# KiCad board ILI9341_ESP32.kicad_pcb
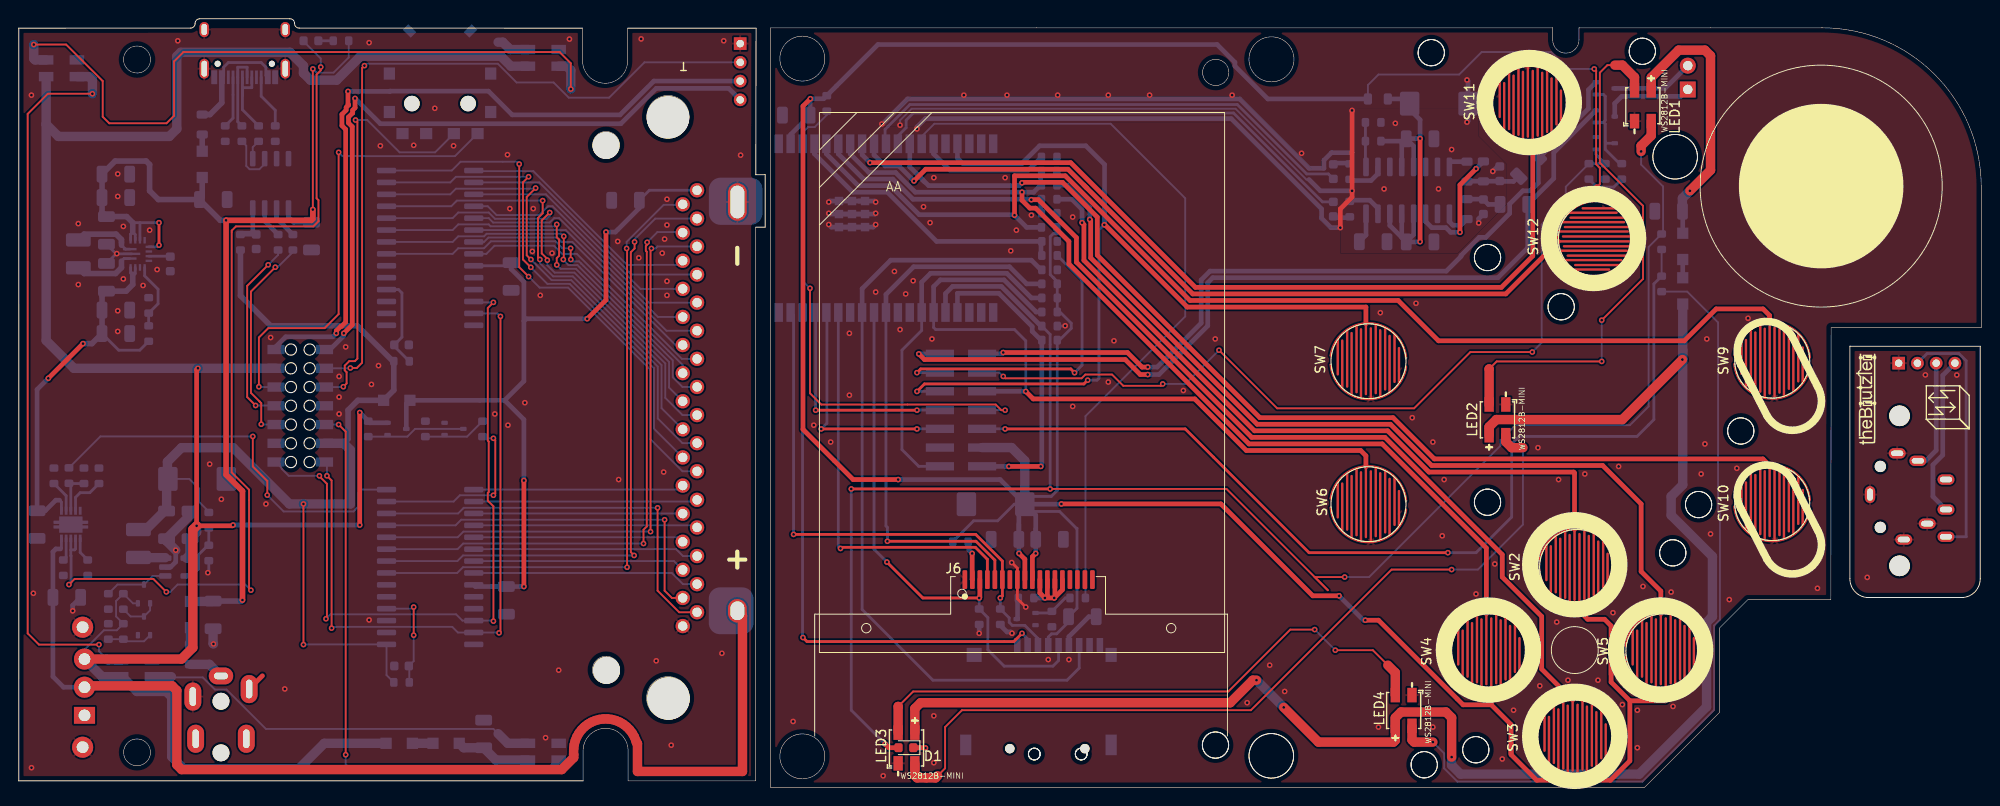
[diagram p0: board, top side]
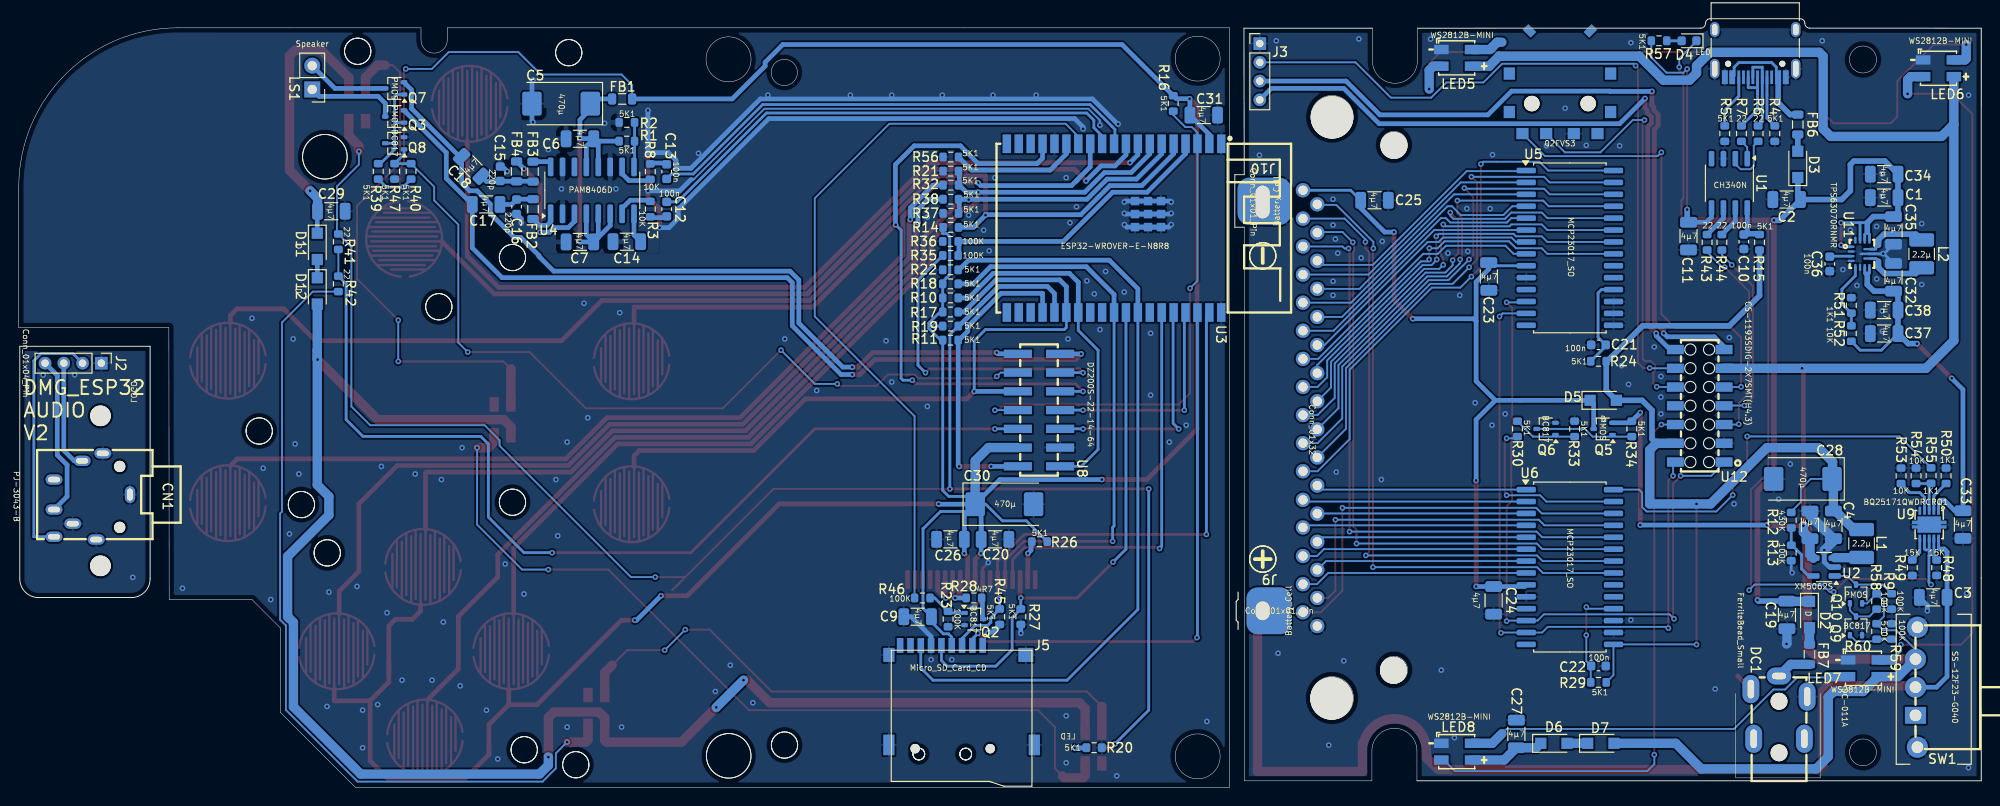
[diagram p1: board, bottom side, seen from below]

Outline 209.21 x 81.97 mm; copper layers: Top, Bottom. Coordinates in mm from the lower left corner of the outline.
Stack: Top 0.035mm / dielectric 1.51mm FR4 er 4.5 / Bottom 0.035mm

## Placement (name value [footprint] x y rotation side)
BT1  Battery_Cell  [BATTERY_AA_SMD_PLUS]  74.83 18.82 90 bottom
BT2  Battery_Cell  [BATTERY_AA_SMD_MINUS]  76.11 62.52 90 bottom
C1  4µ7  [C_1206_3216Metric]  10.35 62.89 0 bottom
C2  4µ7  [C_1206_3216Metric]  20.74 62.69 0 bottom
C3  4µ7  [C_1206_3216Metric]  5.12 20.25 0 bottom
C4  4µ7  [C_1206_3216Metric]  15.76 27.99 270 bottom
C5  470µ  [CP_EIA-7343-43_Kemet-X]  151.39 72.91 0 bottom
C6  4µ7  [C_1206_3216Metric]  149.39 69.16 0 bottom
C7  4µ7  [C_1206_3216Metric]  149.39 58.16 0 bottom
C8  4µ7  [C_1206_3216Metric]  18.26 27.99 90 bottom
C9  4µ7  [C_1206_3216Metric]  113.39 18.19 0 bottom
C10  100n  [C_0603_1608Metric]  25.31 58.19 270 bottom
C11  4µ7  [C_1206_3216Metric]  31.2 58.78 270 bottom
C12  100n  [C_0603_1608Metric]  140.14 61.66 270 bottom
C13  100n  [C_0603_1608Metric]  140.14 65.66 90 bottom
C14  4µ7  [C_1206_3216Metric]  144.39 58.19 0 bottom
C15  220p  [C_0603_1608Metric]  157.89 65.44 90 bottom
C16  220p  [C_0603_1608Metric]  156.14 61.91 90 bottom
C17  4µ7  [C_1206_3216Metric]  159.39 62.16 0 bottom
C18  4µ7  [C_1206_3216Metric]  160.95 66.22 45 bottom
C19  4µ7  [C_1206_3216Metric]  20.72 18.38 270 bottom
C20  4µ7  [C_1206_3216Metric]  105.14 26.44 180 bottom
C21  100n  [C_0603_1608Metric]  40.81 47.19 180 bottom
C22  100n  [C_0603_1608Metric]  40.81 12.94 0 bottom
C23  4µ7  [C_1206_3216Metric]  52.49 54.48 270 bottom
C24  4µ7  [C_1206_3216Metric]  51.98 19.93 270 bottom
C25  4µ7  [C_1206_3216Metric]  64.68 62.61 180 bottom
C26  4µ7  [C_1206_3216Metric]  109.89 26.44 0 bottom
C27  4µ7  [C_1206_3216Metric]  49.56 5.69 90 bottom
C28  470µ  [CP_EIA-7343-43_Kemet-X]  19.01 32.89 0 bottom
C29  4µ7  [C_1206_3216Metric]  175.89 61.44 180 bottom
C30  470µ  [CP_EIA-7343-43_Kemet-X]  104.14 30.19 180 bottom
C31  4µ7  [C_1206_3216Metric]  82.89 71.69 180 bottom
C32  4µ7  [C_1206_3216Metric]  9.35 54.39 270 bottom
C33  4µ7  [C_1206_3216Metric]  1.95 28.02 90 bottom
C34  4µ7  [C_1206_3216Metric]  10.35 65.39 0 bottom
C35  4µ7  [C_1206_3216Metric]  9.35 59.39 270 bottom
C36  100n  [C_0603_1608Metric]  16.15 55.82 270 bottom
C37  4µ7  [C_1206_3216Metric]  10.35 48.39 0 bottom
C38  4µ7  [C_1206_3216Metric]  10.35 50.89 0 bottom
CN1  PJ-3043-B  [AUDIO-TH_PJ-3043-B]  201.4 31.02 270 bottom
D1  LED  [LED_0603_1608Metric]  94.58 4.22 180 top
D2  D  [Nexperia_CFP3_SOD-123W]  18.31 18.42 270 bottom
D3  D  [Nexperia_CFP3_SOD-123W]  19.56 66.44 90 bottom
D4  LED  [LED_0603_1608Metric]  31.15 79.62 0 bottom
D5  D  [Nexperia_CFP3_SOD-123W]  40.3 41.27 180 bottom
D6  D  [Nexperia_CFP3_SOD-123W]  45.56 4.69 180 bottom
D7  D  [Nexperia_CFP3_SOD-123W]  40.56 4.69 180 bottom
D11  D  [Nexperia_CFP3_SOD-123W]  177.39 57.69 270 bottom
D12  D  [Nexperia_CFP3_SOD-123W]  177.39 52.94 270 bottom
DC1  DC-011A  [DC-IN-TH_DC-011A]  21.56 8.52 90 bottom
FB1  FerriteBead_Small  [L_0805_2012Metric]  144.89 73.41 0 bottom
FB2  FerriteBead_Small  [L_0805_2012Metric]  154.39 61.66 90 bottom
FB3  FerriteBead_Small  [L_0805_2012Metric]  154.39 65.66 270 bottom
FB4  FerriteBead_Small  [L_0805_2012Metric]  156.14 65.69 270 bottom  (not fitted)
FB6  FerriteBead_Small  [L_0805_2012Metric]  19.56 70.69 270 bottom
FB7  FerriteBead_Small  [L_0805_2012Metric]  18.31 14.17 90 bottom
G***  LOGO  [thebrutzler_10mm_mod]  196.95 41.42 90 top
H1  MountingHole  [MountingHole_2.2mm_M2]  200.5 23.62 90 bottom
H2  MountingHole  [MountingHole_2.2mm_M2]  200.5 39.62 90 bottom
J1  USB_C_Receptacle_USB2.0_16P  [USB_C_Receptacle_HRO_TYPE-C-31-M-12]  24.09 79.77 0 bottom
J2  Conn_01x04_Pin  [PinHeader_1x04_P2.00mm_Vertical]  200.41 45.23 270 bottom  (not fitted)
J3  Conn_01x04_Socket  [PinHeader_1x04_P2.00mm_Vertical]  76.91 79.32 180 bottom  (not fitted)
J5  Micro_SD_Card_CD  [MicroSD_Self_ bomb]  108.7 4.12 180 bottom
J6  Conn_01x18_Socket  [solder connector 0.8mm 18 pin]  107.66 22.15 270 top
J7  Conn_01x32  [DMG_01_CARDRIDGE_CONNECTOR]  71.55 41.17 270 bottom
J9  Conn_01x01_Pin  [NINTENDO_PLUS]  76.61 18.82 180 bottom  (not fitted)
J10  Conn_01x01_Pin  [NINTENDO_MINUS]  76.61 62.42 270 bottom  (not fitted)
L1  2.2µ  [L_1210_3225Metric_Pad1.42x2.65mm_HandSolder]  12.76 26 90 bottom
L2  2.2µ  [L_1210_3225Metric_Pad1.42x2.65mm_HandSolder]  6.35 56.89 270 bottom
LED1  WS2812B-MINI  [LED-SMD_4P-L3.5-W3.5-TL_WS2812B]  173.14 72.69 270 top
LED2  WS2812B-MINI  [LED-SMD_4P-L3.5-W3.5-TL_WS2812B]  157.64 39.19 90 top
LED3  WS2812B-MINI  [LED-SMD_4P-L3.5-W3.5-TL_WS2812B]  94.64 4.19 270 top
LED4  WS2812B-MINI  [LED-SMD_4P-L3.5-W3.5-TL_WS2812B]  147.64 8.19 90 top
LED5  WS2812B-MINI  [LED-SMD_4P-L3.5-W3.5-TL_WS2812B]  55.92 77.8 0 bottom
LED6  WS2812B-MINI  [LED-SMD_4P-L3.5-W3.5-TL_WS2812B]  4.56 76.69 0 bottom
LED7  WS2812B-MINI  [LED-SMD_4P-L3.5-W3.5-TL_WS2812B]  12.56 12.69 0 bottom
LED8  WS2812B-MINI  [LED-SMD_4P-L3.5-W3.5-TL_WS2812B]  55.92 3.8 0 bottom
LS1  Speaker  [PinHeader_1x02_P2.54mm_Vertical]  177.93 74.42 0 bottom
Q2  BC817  [SOT-323_SC-70]  107.39 17.94 180 bottom
Q3  PMOS  [SOT-323_SC-70]  169.14 71.54 0 bottom
Q5  PMOS  [SOT-323_SC-70]  40.31 38.22 0 bottom
Q6  BC817  [SOT-323_SC-70]  46.39 38.22 0 bottom
Q7  PMOS  [SOT-323_SC-70]  169.14 74.54 0 bottom
Q8  BC817  [SOT-323_SC-70]  169.14 68.69 0 bottom
Q9  BC817  [SOT-323_SC-70]  13.35 17.22 90 bottom
Q10  PMOS  [SOT-323_SC-70]  13.35 20.62 90 bottom
R1  5K1  [R_0603_1608Metric]  144.39 68.91 180 bottom
R2  5K1  [R_0603_1608Metric]  144.39 70.91 0 bottom  (not fitted)
R3  10K  [R_0603_1608Metric]  141.89 61.66 90 bottom
R4  5K1  [R_0603_1608Metric]  22.01 69.72 90 bottom
R5  5K1  [R_0603_1608Metric]  27.34 69.72 270 bottom
R6  22  [R_0603_1608Metric]  23.79 69.72 90 bottom
R7  22  [R_0603_1608Metric]  25.57 69.72 270 bottom
R8  10K  [R_0603_1608Metric]  141.89 65.66 270 bottom
R9  100K  [R_0603_1608Metric]  9.55 19.82 270 bottom
R10  5K1  [R_0603_1608Metric]  109.89 52.19 0 bottom
R11  5K1  [R_0603_1608Metric]  109.89 47.69 0 bottom
R12  430K  [R_0603_1608Metric]  20.26 28.49 270 bottom
R13  100K  [R_0603_1608Metric]  20.26 24.99 270 bottom
R14  5K1  [R_0603_1608Metric]  109.85 59.72 0 bottom
R15  5K1  [R_0603_1608Metric]  23.64 58.13 270 bottom  (not fitted)
R16  5K1  [R_0603_1608Metric]  86.14 72.94 90 bottom
R17  5K1  [R_0603_1608Metric]  109.89 50.69 0 bottom
R18  5K1  [R_0603_1608Metric]  109.89 53.69 0 bottom
R19  5K1  [R_0603_1608Metric]  109.89 49.19 0 bottom
R20  5K1  [R_0603_1608Metric]  94.58 4.22 180 bottom
R21  5K1  [R_0603_1608Metric]  109.85 65.72 0 bottom
R22  5K1  [R_0603_1608Metric]  109.89 55.19 0 bottom
R23  100K  [R_0603_1608Metric]  110.14 17.94 270 bottom
R24  5K1  [R_0603_1608Metric]  40.81 45.44 0 bottom
R26  5K1  [R_0603_1608Metric]  100.39 26.19 180 bottom
R27  5K1  [R_0603_1608Metric]  102.39 18.19 270 bottom
R28  4R7  [R_0603_1608Metric]  107.39 20.19 0 bottom
R29  5K1  [R_0603_1608Metric]  40.81 11.19 0 bottom
R30  5K1  [R_0603_1608Metric]  49.44 38.22 90 bottom
R32  5K1  [R_0603_1608Metric]  109.85 64.22 0 bottom
R33  5K1  [R_0603_1608Metric]  43.35 38.22 90 bottom
R34  5K1  [R_0603_1608Metric]  37.25 38.22 270 bottom
R35  100K  [R_0603_1608Metric]  109.89 56.72 180 bottom
R36  100K  [R_0603_1608Metric]  109.89 58.22 0 bottom
R37  5K1  [R_0603_1608Metric]  109.85 61.22 0 bottom
R38  5K1  [R_0603_1608Metric]  109.85 62.72 0 bottom
R39  5K1  [R_0603_1608Metric]  170.89 65.69 90 bottom
R40  5K1  [R_0603_1608Metric]  167.39 65.69 90 bottom
R41  22  [R_0603_1608Metric]  175.14 58.19 270 bottom  (not fitted)
R42  22  [R_0603_1608Metric]  175.14 53.69 90 bottom
R43  22  [R_0603_1608Metric]  29.22 58.12 90 bottom
R44  22  [R_0603_1608Metric]  27.65 58.12 90 bottom
R45  5K1  [R_0603_1608Metric]  104.64 18.19 270 bottom
R46  100K  [R_0603_1608Metric]  112.89 20.19 180 bottom
R47  5K1  [R_0603_1608Metric]  169.14 65.69 270 bottom
R48  15K  [R_0603_1608Metric]  4.75 23.42 90 bottom
R49  15K  [R_0603_1608Metric]  7.35 23.42 90 bottom
R50  1K1  [R_0603_1608Metric]  3.75 33.22 90 bottom
R51  1K1  [R_0603_1608Metric]  13.85 51.39 270 bottom
R52  10K  [R_0603_1608Metric]  13.85 48.39 270 bottom
R53  10K  [R_0603_1608Metric]  8.55 33.22 90 bottom
R54  10K  [R_0603_1608Metric]  6.95 33.22 270 bottom
R55  1K1  [R_0603_1608Metric]  5.35 33.24 90 bottom
R56  5K1  [R_0603_1608Metric]  109.85 67.22 180 bottom
R57  5K1  [R_0603_1608Metric]  34.35 79.62 180 bottom
R58  100K  [R_0603_1608Metric]  11.15 19.82 270 bottom
R59  100K  [R_0603_1608Metric]  9.55 16.62 90 bottom
R60  510K  [R_0603_1608Metric]  11.15 16.62 270 bottom
SM3  SYM_Arrow45_Tiny  [Symbol_kurzschlussblog]  203.35 42.82 270 top
SW1  SS-12F23-G040  [SW-TH_SS-12F23-G040]  6.91 10.67 90 bottom
SW2  SW_Push  [RubberpadButton_250µ_250µ]  166.13 23.5 90 top  (not fitted)
SW3  SW_Push  [RubberpadButton_250µ_250µ]  165.93 5.3 90 top  (not fitted)
SW4  SW_Push  [RubberpadButton_250µ_250µ]  156.73 14.5 90 top  (not fitted)
SW5  SW_Push  [RubberpadButton_250µ_250µ]  175.33 14.5 90 top  (not fitted)
SW6  SW_Push  [RubberpadButton_250µ_250µ]  143.89 30.19 90 top  (not fitted)
SW7  SW_Push  [RubberpadButton_250µ_250µ]  143.89 45.44 90 top  (not fitted)
SW9  SW_Push  [RubberpadButton_250µ_250µ]  186.93 45.5 90 top  (not fitted)
SW10  SW_Push  [RubberpadButton_250µ_250µ]  186.93 30.3 90 top  (not fitted)
SW11  SW_Push  [RubberpadButton_250µ_250µ]  161.13 72.9 270 top  (not fitted)
SW12  SW_Push  [RubberpadButton_250µ_250µ]  168.13 58.5 180 top  (not fitted)
U1  CH340N  [SOP-8_3.9x4.9mm_P1.27mm]  26.85 64.42 270 bottom
U2  XM5062S  [SOT-23-5]  16.76 23.49 0 bottom
U3  ESP32-WROVER-E-N8R8  [WIFI-SMD_ESP32-WROVER-IE8MB]  92.45 59.63 270 bottom
U4  PAM8406D  [SOP-16_3.9x9.9mm_P1.27mm]  148.07 63.66 90 bottom
U5  MCP23017_SO  [SOIC-28W_7.5x17.9mm_P1.27mm]  43.85 57.53 180 bottom
U6  MCP23017_SO  [SOIC-28W_7.5x17.9mm_P1.27mm]  43.85 23.49 180 bottom
U7  -  [02FVS3]  44.91 77.42 180 bottom
U8  DZ200S-22-14-64  [HDR-SMD_14P-P2.00-V-M-R2-C7-LS6.4]  100.45 40.23 90 bottom
U9  BQ25171QWDRCRQ1  [VSON-10_L3.0-W3.0-P0.50-BL-EP1.65]  5.55 28.02 0 bottom
U11  TPS63070RNMR  [VQFN-HR-15_L3.0-W2.5-P0.50-BL_TPS63070RNMR]  12.85 56.89 270 bottom
U12  CS-1193SDIG-2X7SMT(H4.3)  [PM200-2-07-S-4.3]  30.01 40.69 90 bottom

## Library data of the parts
BT1 = -: Description: Single-cell battery; LCSC: C964874; ALI: 1005004658894022
BT2 = -: Description: Single-cell battery; LCSC: C964876; ALI: 1005004658894022
C1-C4 C6-C9 C11 C14 C17-C20 C23-C27 C29 C31-C35 C37 C38 = -: Description: 25V; LCSC: C282809; ki_fp_filters: C_*
C5 C28 C30 = -: Description: Polarized capacitor; LCSC: C724264; SOURCED: card; ki_fp_filters: CP_*
C10 C12 C13 C21 C22 C36 = -: Description: 50V; ki_fp_filters: C_*
C15 C16 = -: Description: 50V; LCSC: C107081; ki_fp_filters: C_*
CN1 = -: Datasheet: https://lcsc.com/product-detail/Audio-Video-Connectors_XKB-Connectivity-PJ-3043-B_C2682182.html; LCSC: C2682182
D1 D4 = -: Description: Light emitting diode; ki_fp_filters: LED* LED_SMD:* LED_THT:*
D2 D3 D5-D7 D11 D12 = -: Description: Diode; Sim.Pins: 1=K 2=A; LCSC: C5120763; ki_fp_filters: TO-???* *_Diode_* *SingleDiode* D_*
DC1 = -: Datasheet: https://www.lcsc.com/datasheet/lcsc_datasheet_2110111230_XKB-Connection-DC-011A_C480366.pdf; LCSC: C480366
FB1-FB4 FB6 FB7 = -: Description: 600R 100MHz 100mOhm 2Amp; LCSC: C963878; ki_fp_filters: Inductor_* L_* *Ferrite*
J1 = -: Datasheet: https://www.usb.org/sites/default/files/documents/usb_type-c.zip; Description: USB 2.0-only 16P Type-C Receptacle connector; LCSC: C165948; ki_fp_filters: USB*C*Receptacle*
J2 J3 = -: Description: Generic connector, single row, 01x04, script generated; ki_fp_filters: Connector*:*_1x??_*
J5 = -: Datasheet: https://datasheet.lcsc.com/lcsc/1912111437_SHOU-HAN-TF-PUSH_C393941.pdf; LCSC: C393941; ki_fp_filters: microSD*
J6 = -: Description: Generic connector, single row, 01x18, script generated; ki_fp_filters: Connector*:*_1x??_*
J7 = -: Description: Generic connector, single row, 01x32, script generated (kicad-library-utils/schlib/autogen/connector/); ki_fp_filters: Connector*:*_1x??_*
J9 J10 = -: Description: Generic connector, single row, 01x01, script generated; ki_fp_filters: Connector*:*_1x??_*
L1 L2 = -: LCSC: C3002559; ki_fp_filters: Choke_* *Coil* Inductor_* L_*
LED1-LED8 = -: Datasheet: https://lcsc.com/product-detail/Light-Emitting-Diodes-LED_Worldsemi-WS2812B-Mini_C527089.html; LCSC: C527089
LS1 = -: LCSC: C391015
Q2 Q6 Q8 Q9 = -: Datasheet: https://www.onsemi.com/pub/Collateral/BC818-D.pdf; Description: 0.8A Ic, 45V Vce, NPN Transistor, SOT-23; LCSC: C383187; ki_fp_filters: SOT?23*
Q3 Q5 Q7 Q10 = -: Description: P-MOSFET transistor, gate/source/drain; LCSC: C19078062
R1 R2 R4 R5 R10 R11 R14-R22 R24 R26 R27 R29 R30 R32-R34 R37-R40 R45 R47 R56 R57 = -: LCSC: C26000; ki_fp_filters: R_*
R3 R8 R52-R54 = -: LCSC: C25804; ki_fp_filters: R_*
R6 R7 R41-R44 = -: LCSC: C1203; ki_fp_filters: R_*
R9 R13 R23 R35 R36 R46 R58 R59 = -: LCSC: C15458; ki_fp_filters: R_*
R12 = -: LCSC: C25969; ki_fp_filters: R_*
R28 = -: LCSC: C491192; ki_fp_filters: R_*
R48 R49 = -: LCSC: C2906995; ki_fp_filters: R_*
R50 R51 R55 = -: LCSC: C2906975; ki_fp_filters: R_*
R60 = -: LCSC: C23192; ki_fp_filters: R_*
SW1 = -: LCSC: C2848932
U1 = -: Datasheet: https://aitendo3.sakura.ne.jp/aitendo_data/product_img/ic/inteface/CH340N/ch340n.pdf; Description: USB serial converter, 2Mbps, UART, SOP-8; ki_fp_filters: SOP*3.9x4.9mm*P1.27mm*
U2 = -: Datasheet: https://datasheet.lcsc.com/lcsc/2111231130_XySemi-XM5062S-ADJ_C2924930.pdf; LCSC: C2924930; ki_fp_filters: SOT?23*
U3 = -: LCSC: C2973667
U4 = -: Datasheet: https://www.diodes.com/assets/Datasheets/PAM8406.pdf; Description: Filterless Class-D / Class-AB Stereo Audio Amplifier, 5.0W, SOIC-16; LCSC: C86270; ki_fp_filters: SOP*3.9x9.9mm*P1.27mm*
U5 U6 = -: Datasheet: http://ww1.microchip.com/downloads/en/DeviceDoc/20001952C.pdf; Description: 16-bit I/O expander, I2C, interrupts, w pull-ups, SOIC-28; LCSC: C47023; ki_fp_filters: SOIC*7.5x17.9mm*P1.27mm*
U7 = -: Datasheet: https://datasheet.lcsc.com/lcsc/2207281230_Mitsumi-Electric-SIQ-02FVS3_C2925423.pdf; Description: Rotary and Push Encoder; LCSC: C2925423
U8 = -: LCSC: C5160772; SOURCED: card
U9 = -: LCSC: C2861221; SOURCED: card
U11 = -: Datasheet: https://lcsc.com/product-detail/DC-DC-Converters_TI_TPS63070RNMR_TPS63070RNMR_C109322.html; LCSC Part: C109322
U12 = -: LCSC: C3975171; SOURCED: card

## Footprints (pads in the part's own frame, mm; a bottom-side part is the same pattern mirrored in y, then rotated)
02FVS3
  rect 1.2x1.3 smd: (-5.4,-5.4) (-5.4,-1.3) (5.4,-5.4) (5.4,-1.3)
  rect 0.85x1.2 smd rot 135: (-3.25,3.25)
  round 1.65 hole 1.65 unplated: (-3,-4.5) (3,-4.5)
  rect 0.85x1.2 smd rot 45: (3.25,3.25)
  rect 1.3x1.2 smd: A(-4,-7.7) B(4,-7.7) C(1.475,-7.7) S(-1.475,-7.7)
AUDIO-TH_PJ-3043-B
  round 1.2 hole 1.2 unplated: (-3.2,2.95) (3.3,2.95)
  oval 1.8x1.1 hole 1.3x0.6: 1(-0.2,4.05)
  oval 1.1x1.8 hole 0.6x1.3: 2(1.4,-4.05) 3(-3.8,-1.05) 4(-1.8,-4.05) 5(2.9,-2.05) 6(4.3,-4.05) 8(-4.6,1.15) 8(4.6,0.45)
BATTERY_AA_SMD_MINUS
  rrect 5.04x5.715 smd: 2(-0.02,0.318)
BATTERY_AA_SMD_PLUS
  rrect 5x4.77 smd: 1(0,1.115)
C_0603_1608Metric
  rrect 0.9x0.95 smd: 1(-0.775,0) 2(0.775,0)
C_1206_3216Metric
  rrect 1.15x1.8 smd: 1(-1.475,0) 2(1.475,0)
CP_EIA-7343-43_Kemet-X
  rrect 2.075x2.55 smd: 1(-3.112,0) 2(3.112,0)
DC-IN-TH_DC-011A
  round 1.8 hole 1.8 unplated: (-4.85,0) (0.65,0)
  oval 3x1.8 hole 2x0.7: 1(1.95,3) 3(1.15,-3) 4(-3.35,-2.7) 5(-3.35,2.7)
  oval 1.8x2.6 hole 0.7x1.5: 2(3.35,0)
DMG_01_CARDRIDGE_CONNECTOR
  round 4.527 hole 4.527 unplated: (-30.277,2.337) (31.699,2.286)
  round 2.877 hole 2.877 unplated: (-27.28,8.941) (28.702,8.89)
  round 1.524 hole 1: 1(-22.504,-0.762) 2(-21.006,0.762) 3(-19.482,-0.762) 4(-17.983,0.762) 5(-16.51,-0.762) 6(-14.986,0.762) 7(-13.513,-0.762) 8(-11.989,0.762) 9(-10.516,-0.762) 10(-8.992,0.762) 11(-7.518,-0.762) 12(-5.994,0.762) 13(-4.521,-0.762) 14(-2.997,0.762) 15(-1.524,-0.762) 16(0,0.762) 17(1.473,-0.762) 18(2.997,0.762) 19(4.47,-0.762) 20(5.994,0.762) 21(7.468,-0.762) 22(8.992,0.762) 23(10.516,-0.762) 24(11.989,0.762) 25(13.462,-0.762) 26(14.986,0.762) 27(16.51,-0.762) 28(17.983,0.762) 29(19.507,-0.762) 30(20.98,0.762) 31(22.504,-0.762) 32(23.978,0.762)
HDR-SMD_14P-P2.00-V-M-R2-C7-LS6.4
  rect 0.89x3 smd: 1(-6,-2.25) 2(-6,2.25) 3(-4,-2.25) 4(-4,2.25) 5(-2,-2.25) 6(-2,2.25) 7(0,-2.25) 8(0,2.25) 9(2,-2.25) 10(2,2.25) 11(4,-2.25) 12(4,2.25) 13(6,-2.25) 14(6,2.25)
L_0805_2012Metric
  rrect 0.875x1.2 smd: 1(-1.062,0) 2(1.062,0)
L_1210_3225Metric_Pad1.42x2.65mm_HandSolder
  rrect 1.425x2.65 smd: 1(-1.488,0) 2(1.488,0)
LED-SMD_4P-L3.5-W3.5-TL_WS2812B
  rect 1.55x1 smd: 1(-1.64,0.89) 2(-1.64,-0.89) 3(1.64,-0.89) 4(1.64,0.89)
LED_0603_1608Metric
  rrect 0.875x0.95 smd: 1(-0.788,0) 2(0.788,0)
MicroSD_Self_ bomb
  round 1 hole 1 unplated: (-4.95,0) (3.05,0)
  rect 0.7x1.6 smd: 1(2.25,11) 2(1.15,11) 3(0.05,11) 4(-1.05,11) 5(-2.15,11) 6(-3.25,11) 7(-4.35,11) 8(-5.45,11) CD(-6.55,11)
  rect 1.2x2.2 smd: G(-7.75,0.4) G(7.75,0.4)
  rect 1.2x1.5 smd: G(-7.75,10)
  rect 1.6x1.5 smd: G(6.85,10)
MountingHole_2.2mm_M2
  round 2.2 hole 2.2 unplated: (0,0)
Nexperia_CFP3_SOD-123W
  rect 1.2x1.2 smd: 1(-1.4,0) 2(1.4,0)
NINTENDO_MINUS
  oval 4x2 hole 3.5x1.5: 1(0,0)
NINTENDO_PLUS
  oval 2x2.5 hole 1.5x2: 1(0,0)
PinHeader_1x02_P2.54mm_Vertical
  rect 1.7x1.7 hole 1: 1(0,0)
  oval 1.7x1.7 hole 1: 2(0,-2.54)
PinHeader_1x04_P2.00mm_Vertical
  rect 1.35x1.35 hole 0.8: 1(0,0)
  oval 1.35x1.35 hole 0.8: 2(0,-2) 3(0,-4) 4(0,-6)
PM200-2-07-S-4.3
  rect 1x1.8 smd: 1(-6,-2.6) 2(-6,2.6) 3(-4,-2.6) 4(-4,2.6) 5(-2,-2.6) 6(-2,2.6) 7(0,-2.6) 8(0,2.6) 9(2,-2.6) 10(2,2.6) 11(4,-2.6) 12(4,2.6) 13(6,-2.6) 14(6,2.6)
R_0603_1608Metric
  rrect 0.8x0.95 smd: 1(-0.825,0) 2(0.825,0)
RubberpadButton_250µ_250µ
  custom 7.795x8.278 smd: 1(-4,-0.25) 2(4,0.275)
SOIC-28W_7.5x17.9mm_P1.27mm
  rrect 2.05x0.6 smd: 1(-4.65,8.255) 2(-4.65,6.985) 3(-4.65,5.715) 4(-4.65,4.445) 5(-4.65,3.175) 6(-4.65,1.905) 7(-4.65,0.635) 8(-4.65,-0.635) 9(-4.65,-1.905) 10(-4.65,-3.175) 11(-4.65,-4.445) 12(-4.65,-5.715) 13(-4.65,-6.985) 14(-4.65,-8.255) 15(4.65,-8.255) 16(4.65,-6.985) 17(4.65,-5.715) 18(4.65,-4.445) 19(4.65,-3.175) 20(4.65,-1.905) 21(4.65,-0.635) 22(4.65,0.635) 23(4.65,1.905) 24(4.65,3.175) 25(4.65,4.445) 26(4.65,5.715) 27(4.65,6.985) 28(4.65,8.255)
solder connector 0.8mm 18 pin
  rrect 2x0.5 smd: 1(0,-6.8) 2(0,-6) 3(0,-5.2) 4(0,-4.4) 5(0,-3.6) 6(0,-2.8) 7(0,-2) 8(0,-1.2) 9(0,-0.4) 10(0,0.4) 11(0,1.2) 12(0,2) 13(0,2.8) 14(0,3.6) 15(0,4.4) 16(0,5.2) 17(0,6) 18(0,6.8)
SOP-8_3.9x4.9mm_P1.27mm
  rrect 1.65x0.6 smd: 1(-2.625,1.905) 2(-2.625,0.635) 3(-2.625,-0.635) 4(-2.625,-1.905) 5(2.625,-1.905) 6(2.625,-0.635) 7(2.625,0.635) 8(2.625,1.905)
SOP-16_3.9x9.9mm_P1.27mm
  rrect 2x0.6 smd: 1(-2.5,4.445) 2(-2.5,3.175) 3(-2.5,1.905) 4(-2.5,0.635) 5(-2.5,-0.635) 6(-2.5,-1.905) 7(-2.5,-3.175) 8(-2.5,-4.445) 9(2.5,-4.445) 10(2.5,-3.175) 11(2.5,-1.905) 12(2.5,-0.635) 13(2.5,0.635) 14(2.5,1.905) 15(2.5,3.175) 16(2.5,4.445)
SOT-23-5
  rrect 1.325x0.6 smd: 1(-1.137,0.95) 2(-1.137,0) 3(-1.137,-0.95) 4(1.137,-0.95) 5(1.137,0.95)
SOT-323_SC-70
  rrect 0.7x0.45 smd: 1(-1,0.65) 2(-1,-0.65) 3(1,0)
SW-TH_SS-12F23-G040
  rect 1.8x2.25 hole 1.25: 1(-3,0.1)
  round 2.25 hole 1.25: 2(0,0.1) 3(3,0.1) 4(6.4,-0.1) 5(-6.4,-0.1)
USB_C_Receptacle_HRO_TYPE-C-31-M-12
  round 0.65 hole 0.65 unplated: (-2.89,2.6) (2.89,2.6)
  rect 0.6x1.45 smd: A1(-3.25,4.045) A4(-2.45,4.045) A9(2.45,4.045) A12(3.25,4.045) B1(3.25,4.045) B4(2.45,4.045) B9(-2.45,4.045) B12(-3.25,4.045)
  rect 0.3x1.45 smd: A5(-1.25,4.045) A6(-0.25,4.045) A7(0.25,4.045) A8(1.25,4.045) B5(1.75,4.045) B6(0.75,4.045) B7(-0.75,4.045) B8(-1.75,4.045)
  oval 1x1.6 hole 0.6x1.2: S1(-4.32,-1.05) S1(4.32,-1.05)
  oval 1x2.1 hole 0.6x1.7: S1(-4.32,3.13) S1(4.32,3.13)
VQFN-HR-15_L3.0-W2.5-P0.50-BL_TPS63070RNMR
  rect 0.25x0.7 smd: 1(-0.75,-1.02) 2(-0.25,-1.02) 3(0.25,-1.02) 4(0.75,-1.02)
  rect 0.7x0.25 smd: 5(1.45,-0.57) 6(1.45,-0.07) 7(1.45,0.43) 8(1.45,0.93) 12(-1.45,0.43) 13(-1.45,0.93) 14(-1.45,-0.07) 15(-1.45,-0.57)
  rect 0.25x1.45 smd: 9(0.5,1.02) 11(-0.5,1.02)
  rect 0.25x1.85 smd: 10(0,0.82)
VSON-10_L3.0-W3.0-P0.50-BL-EP1.65
  rect 0.3x0.85 smd: 1(-1,-1.47) 2(-0.5,-1.47) 3(0,-1.47) 4(0.5,-1.47) 5(1,-1.47)
  rect 0.3x0.8 smd: 6(1,1.47) 7(0.5,1.47) 8(0,1.47) 9(-0.5,1.47) 10(-1,1.47)
  custom 3.7x1.75 smd: 11(0,0)
WIFI-SMD_ESP32-WROVER-IE8MB
  rect 2x0.9 smd: 1(-9,11.43) 2(-9,10.16) 3(-9,8.89) 4(-9,7.62) 5(-9,6.35) 6(-9,5.08) 7(-9,3.81) 8(-9,2.54) 9(-9,1.27) 10(-9,0) 11(-9,-1.27) 12(-9,-2.54) 13(-9,-3.81) 14(-9,-5.08) 15(-9,-6.35) 16(-9,-7.62) 17(-9,-8.89) 18(-9,-10.16) 19(-9,-11.43) 20(9,-11.43) 21(9,-10.16) 22(9,-8.89) 23(9,-7.62) 24(9,-6.35) 25(9,-5.08) 26(9,-3.81) 27(9,-2.54) 28(9,-1.27) 29(9,0) 30(9,1.27) 31(9,2.54) 32(9,3.81) 33(9,5.08) 34(9,6.35) 35(9,7.62) 36(9,8.89) 37(9,10.16) 38(9,11.43)
  rect 0.9x0.9 smd: 39(-2.89,5.01) 39(-2.89,2.23) 39(-2.89,3.62) 39(-1.5,2.23) 39(-1.5,3.62) 39(-1.5,5.01) 39(-0.11,2.23) 39(-0.11,3.62) 39(-0.11,5.01)
